# Altium PCB Whitespace_Daughtercard.PcbDoc (part 1 of 5)
Units mil, origin at the board's own origin, x right, y up, seen from the top; angles counter-clockwise.
Board outline 4000 x 3100 mil, 6 copper layers (Top Layer, Ground Plane, MidLayer1, MidLayer2, Power Plane, Bottom Layer), stack 62.3 mil thick; 355 components, 313 nets, 1366 pads, 1573 vias.
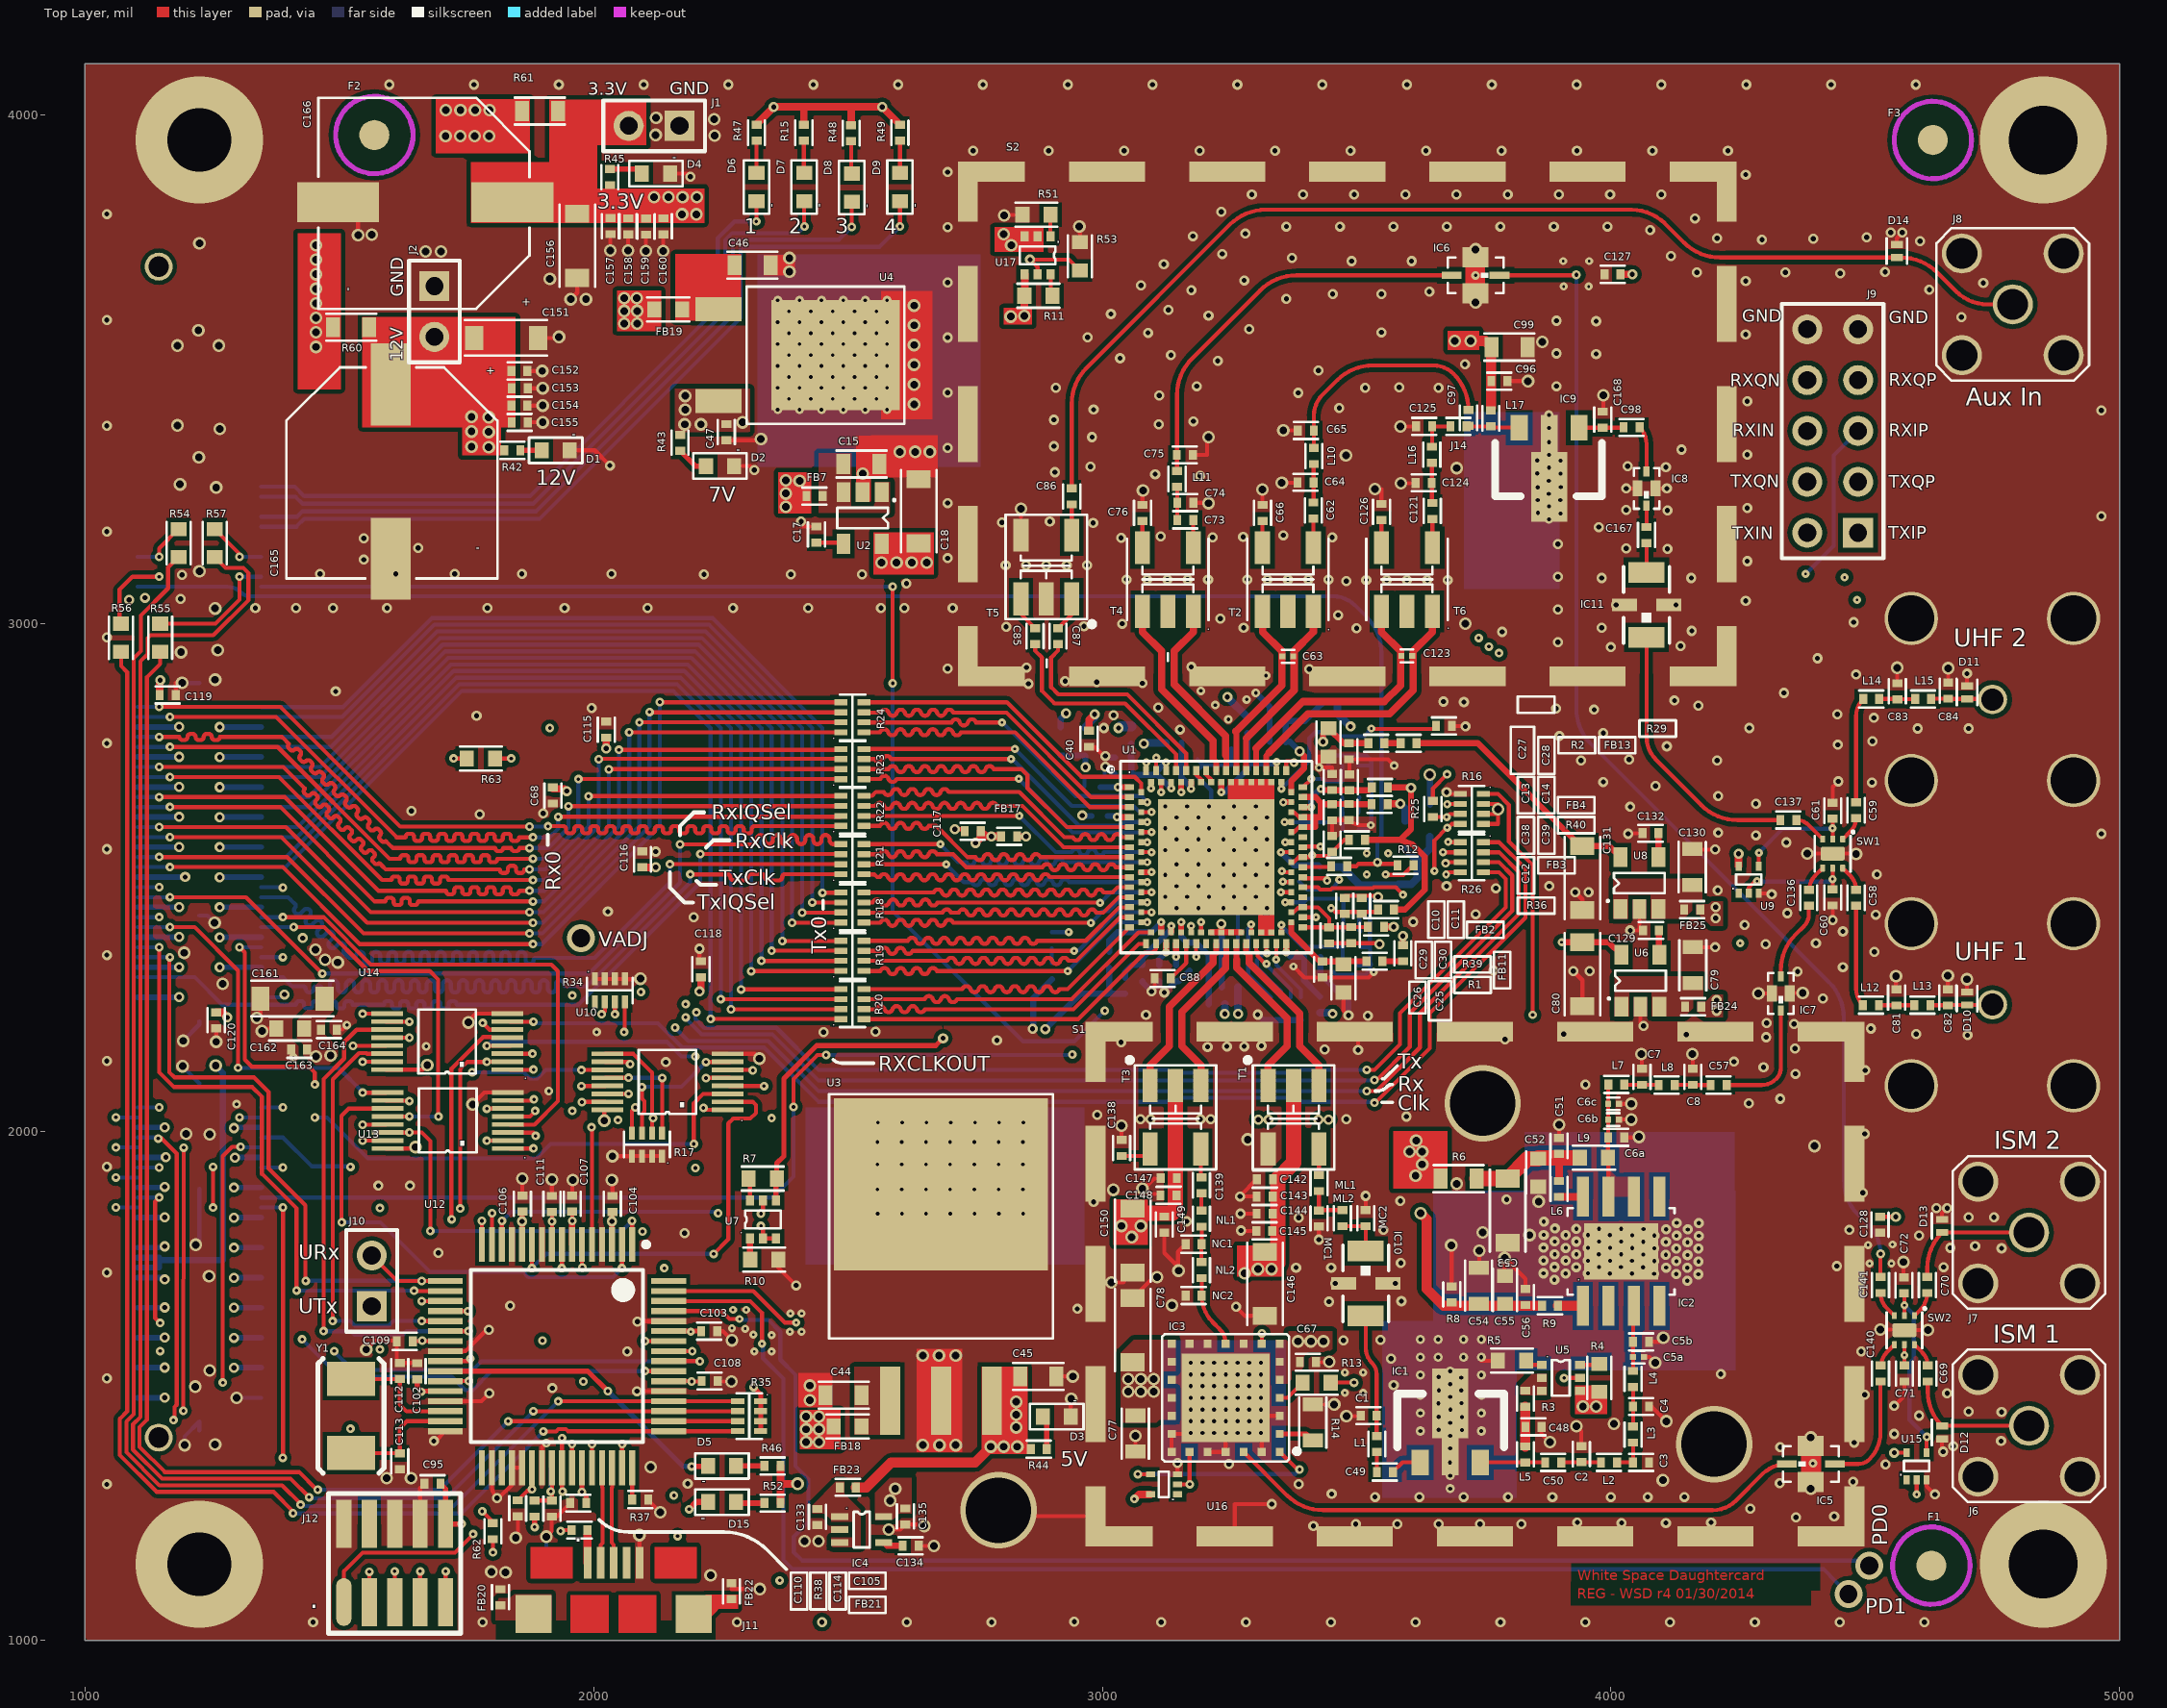
[diagram p0: Top Layer view]
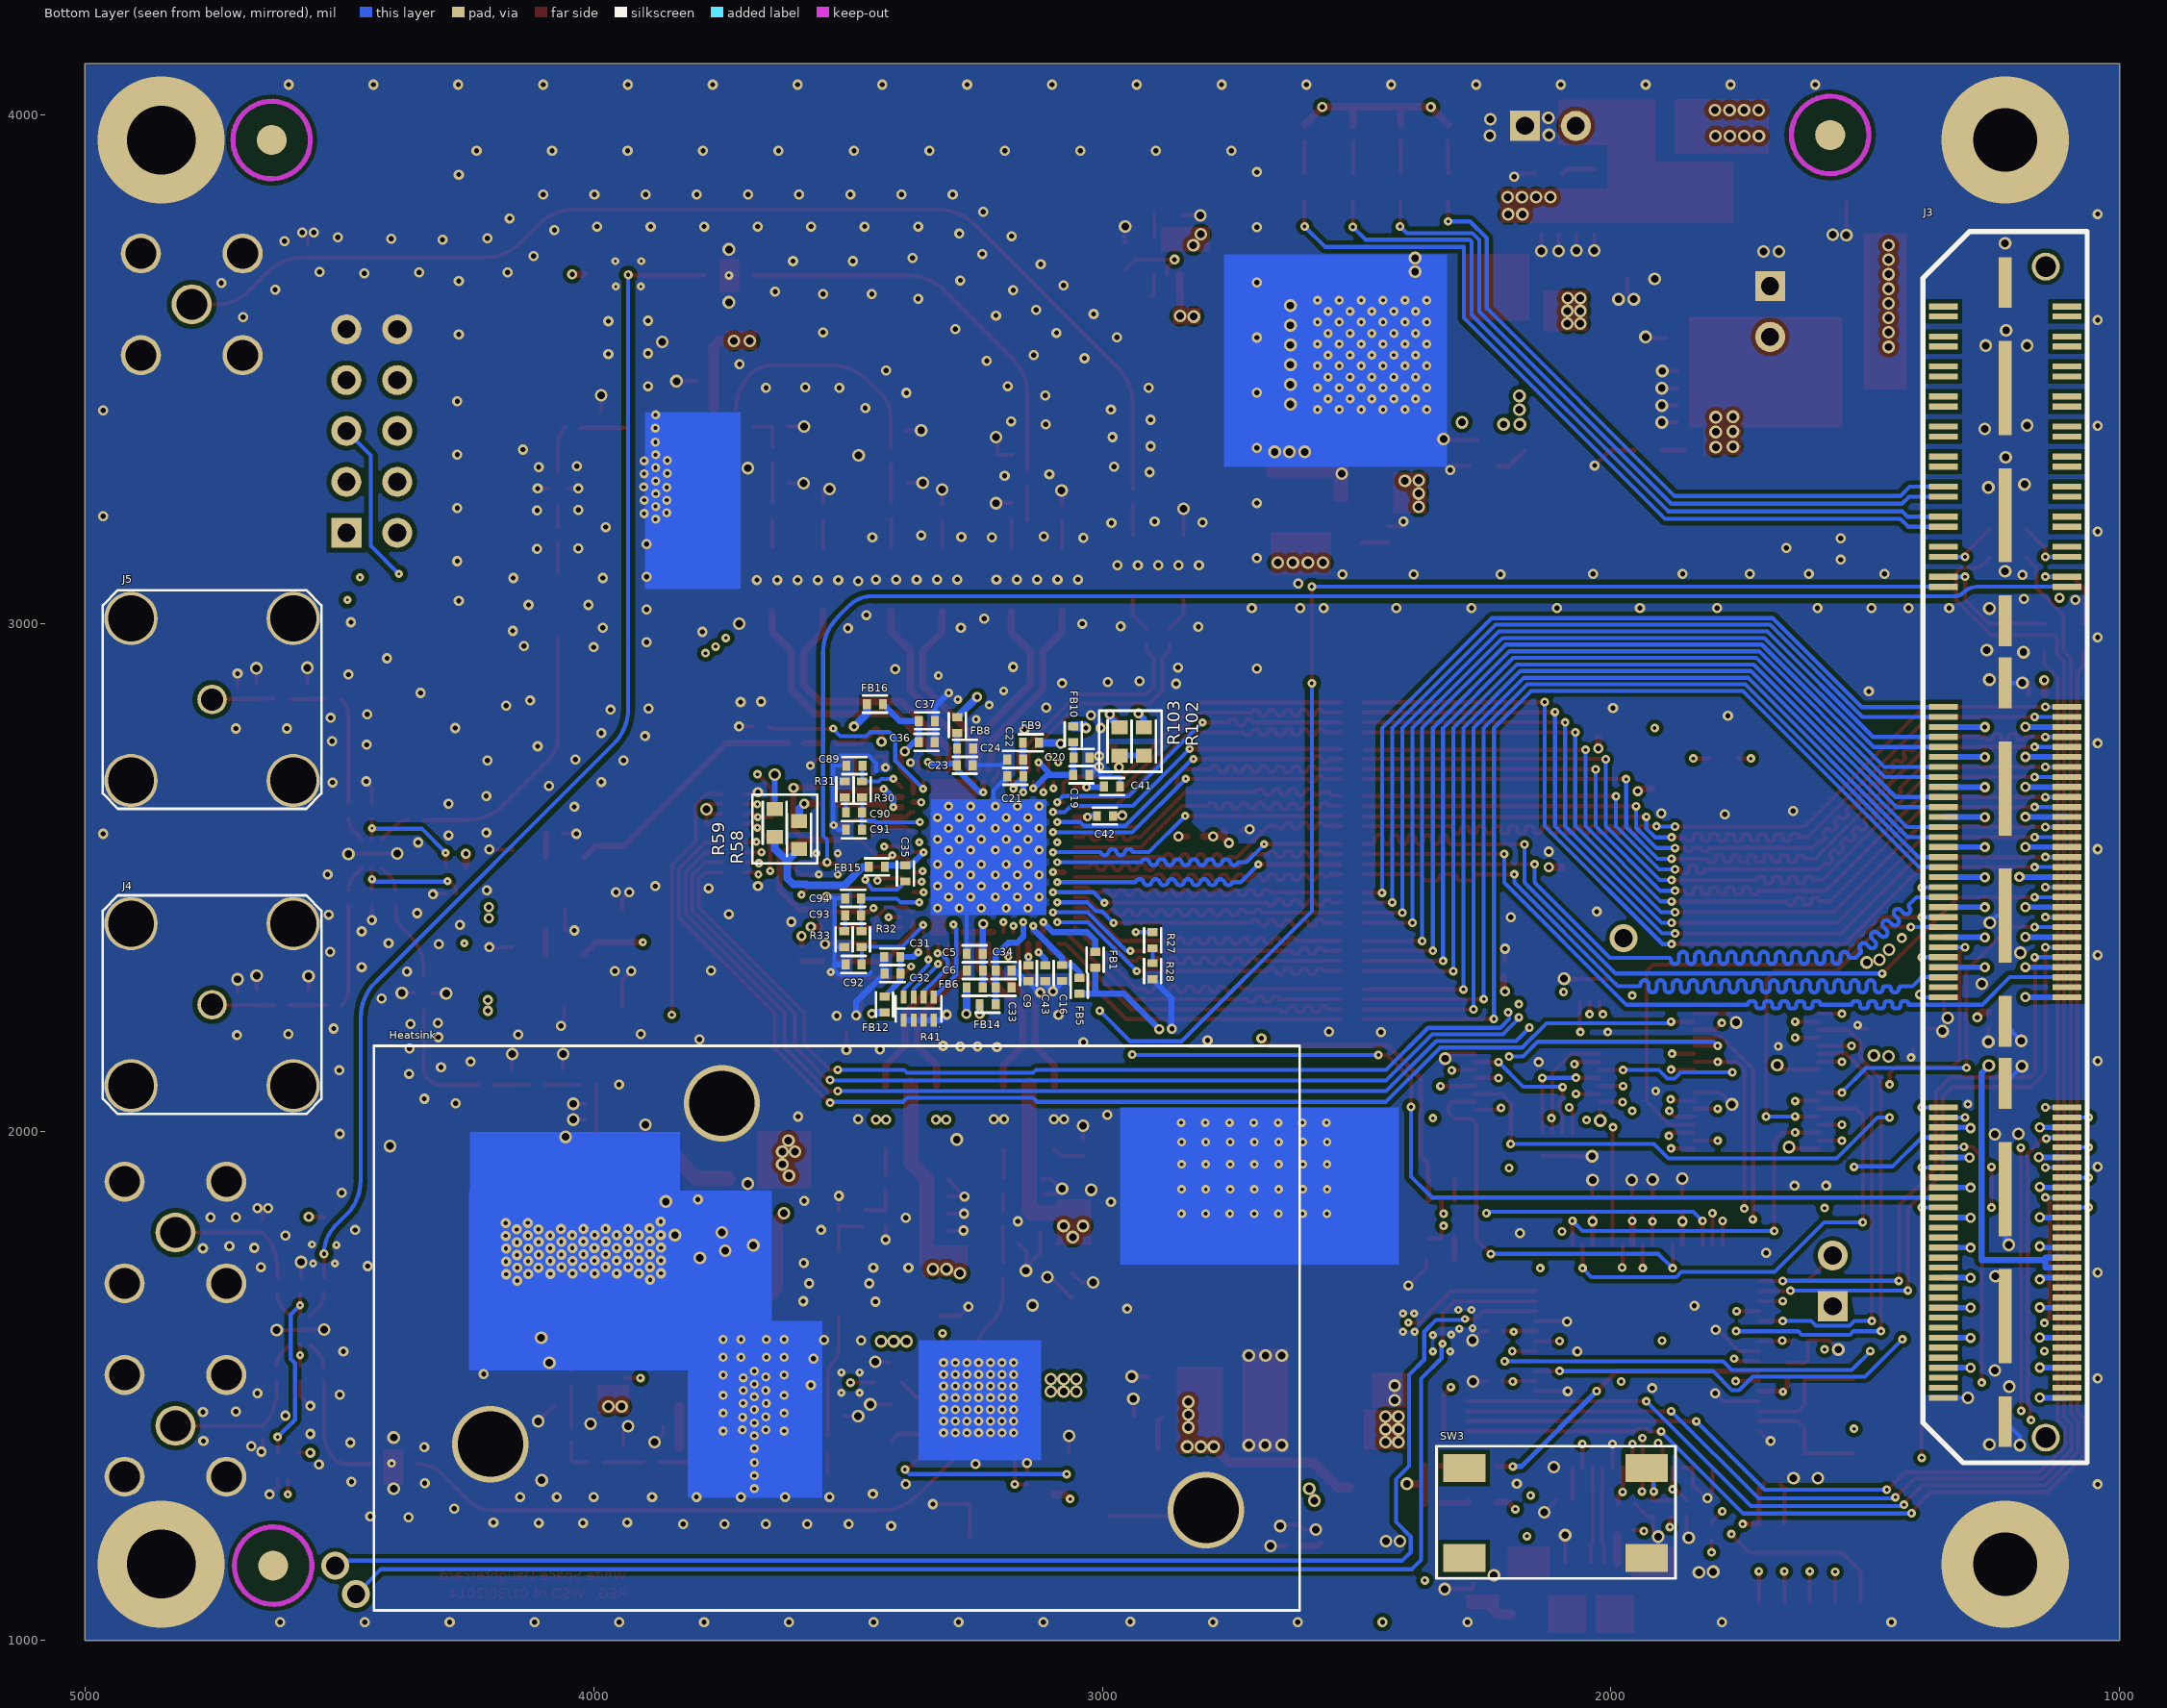
[diagram p1: Bottom Layer view, seen from below]
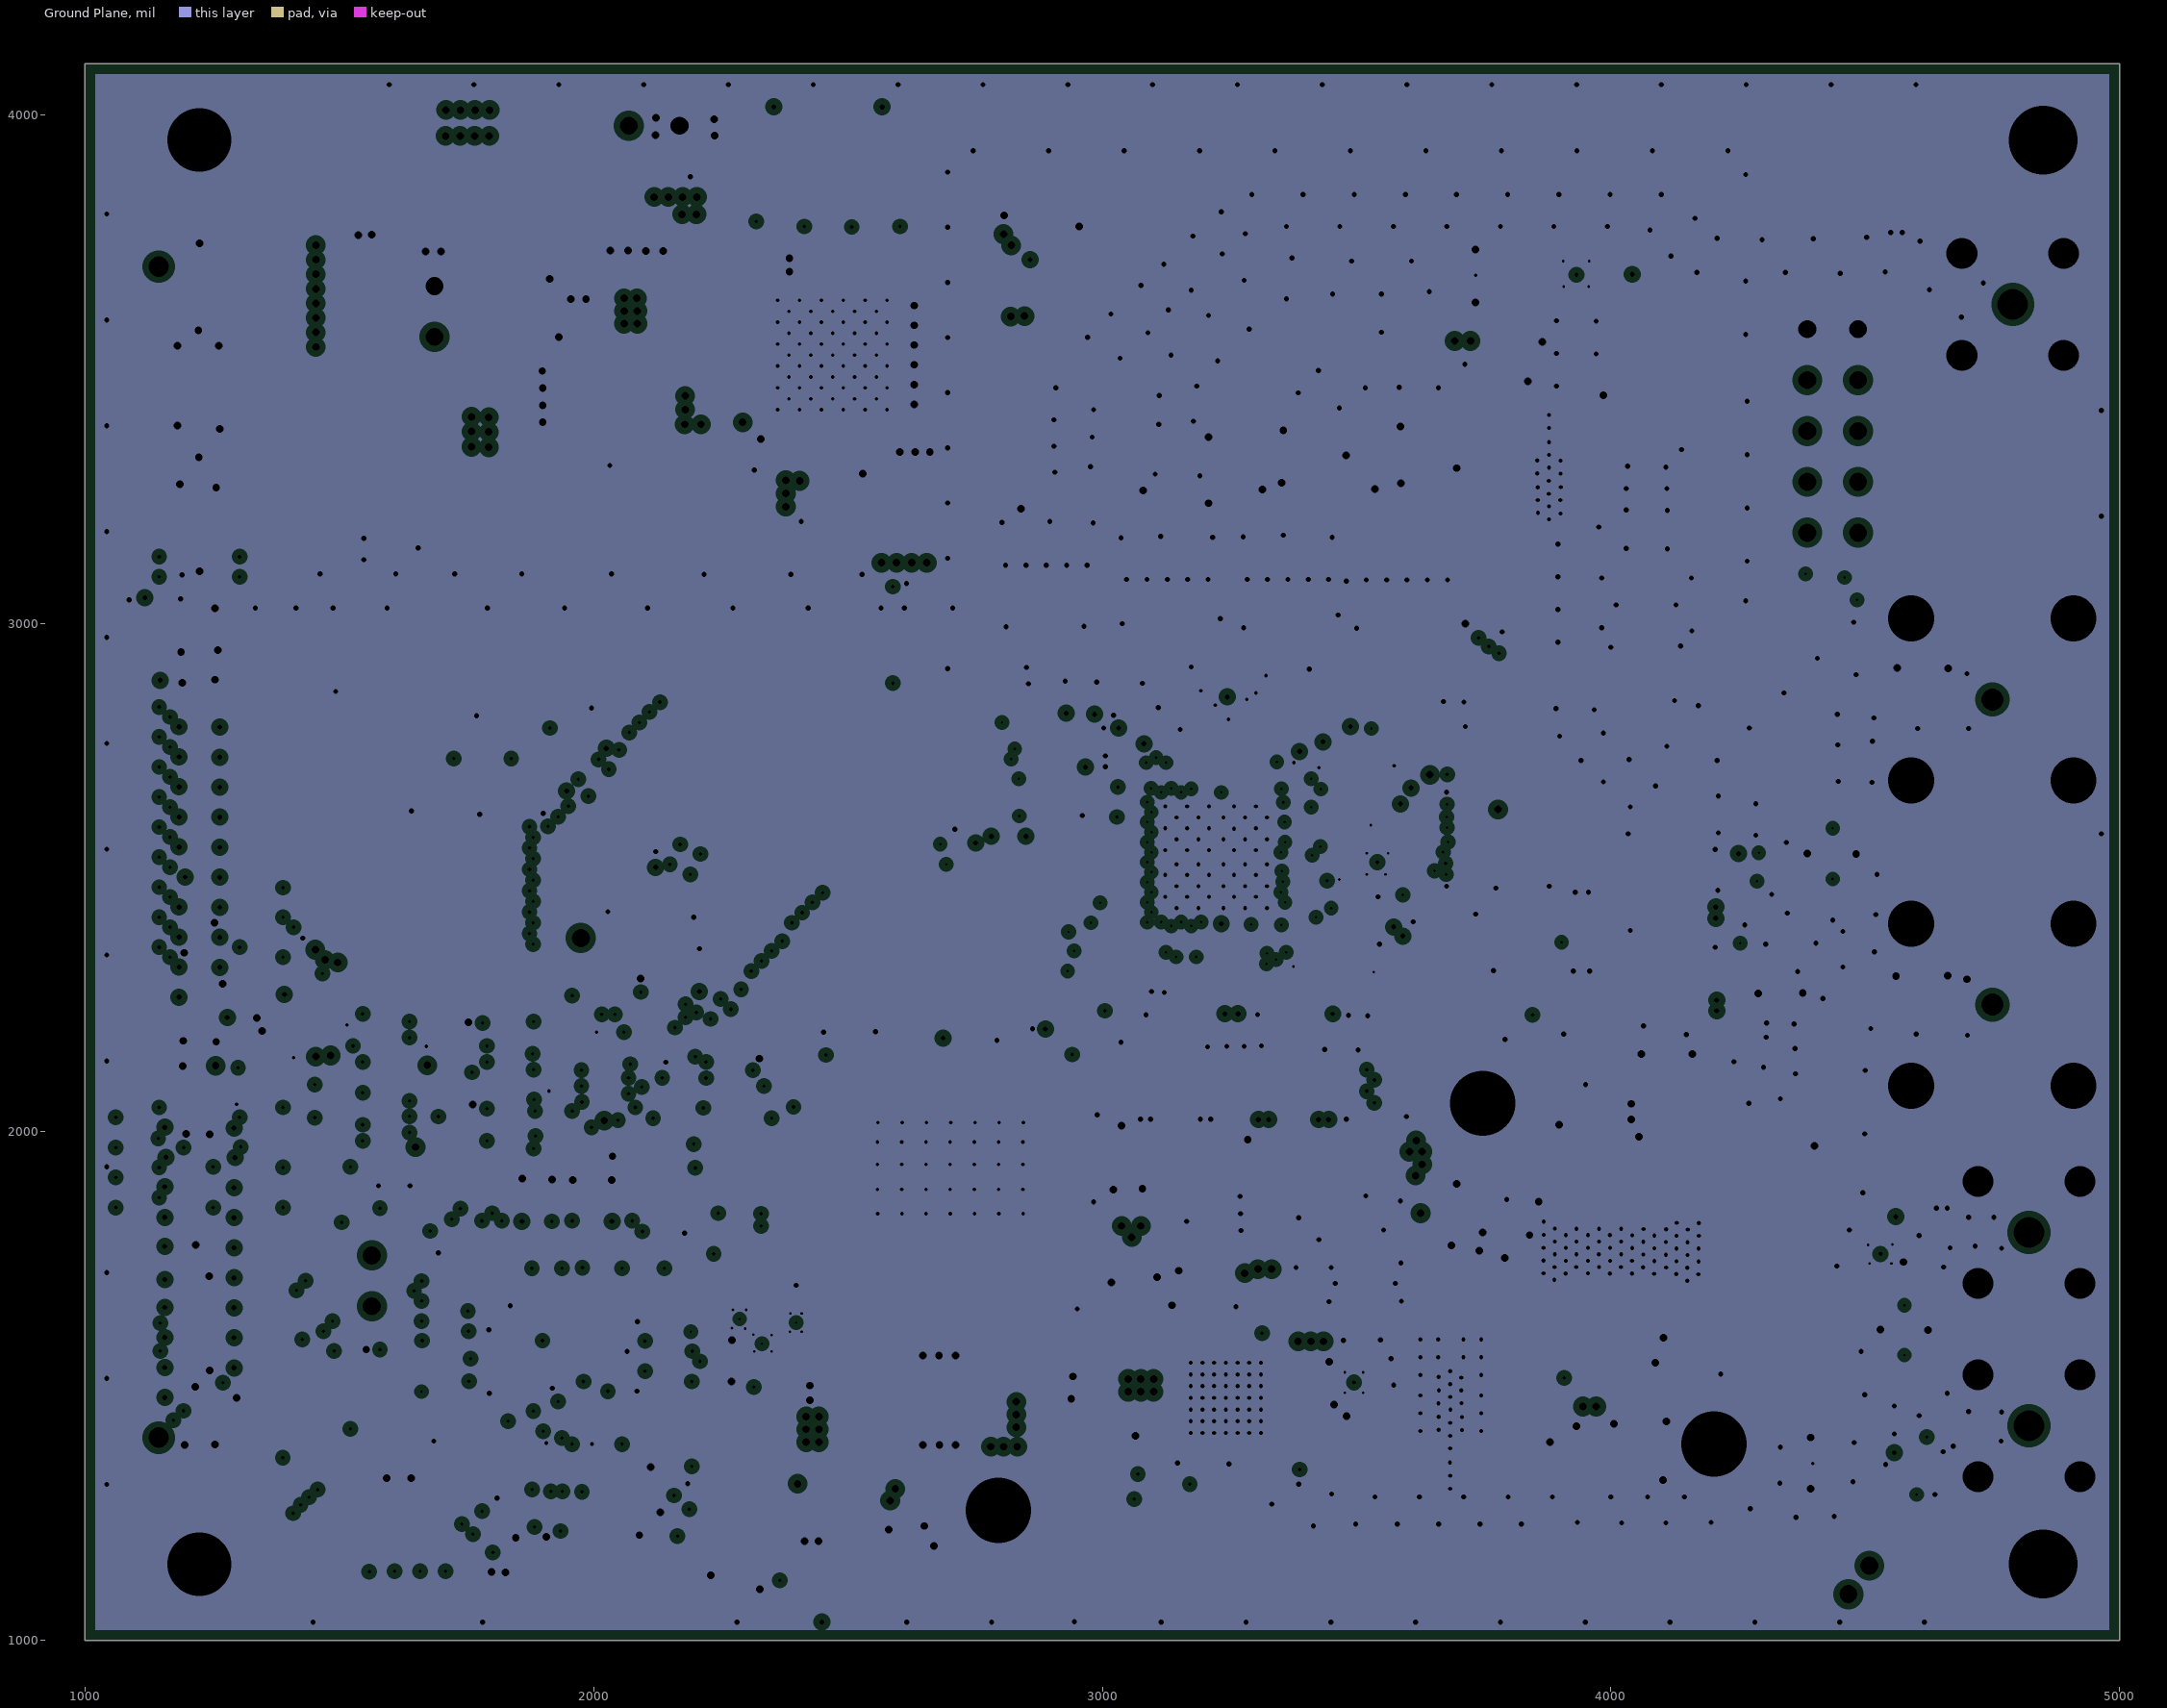
[diagram p2: Ground Plane, clearances drawn from the general rule]
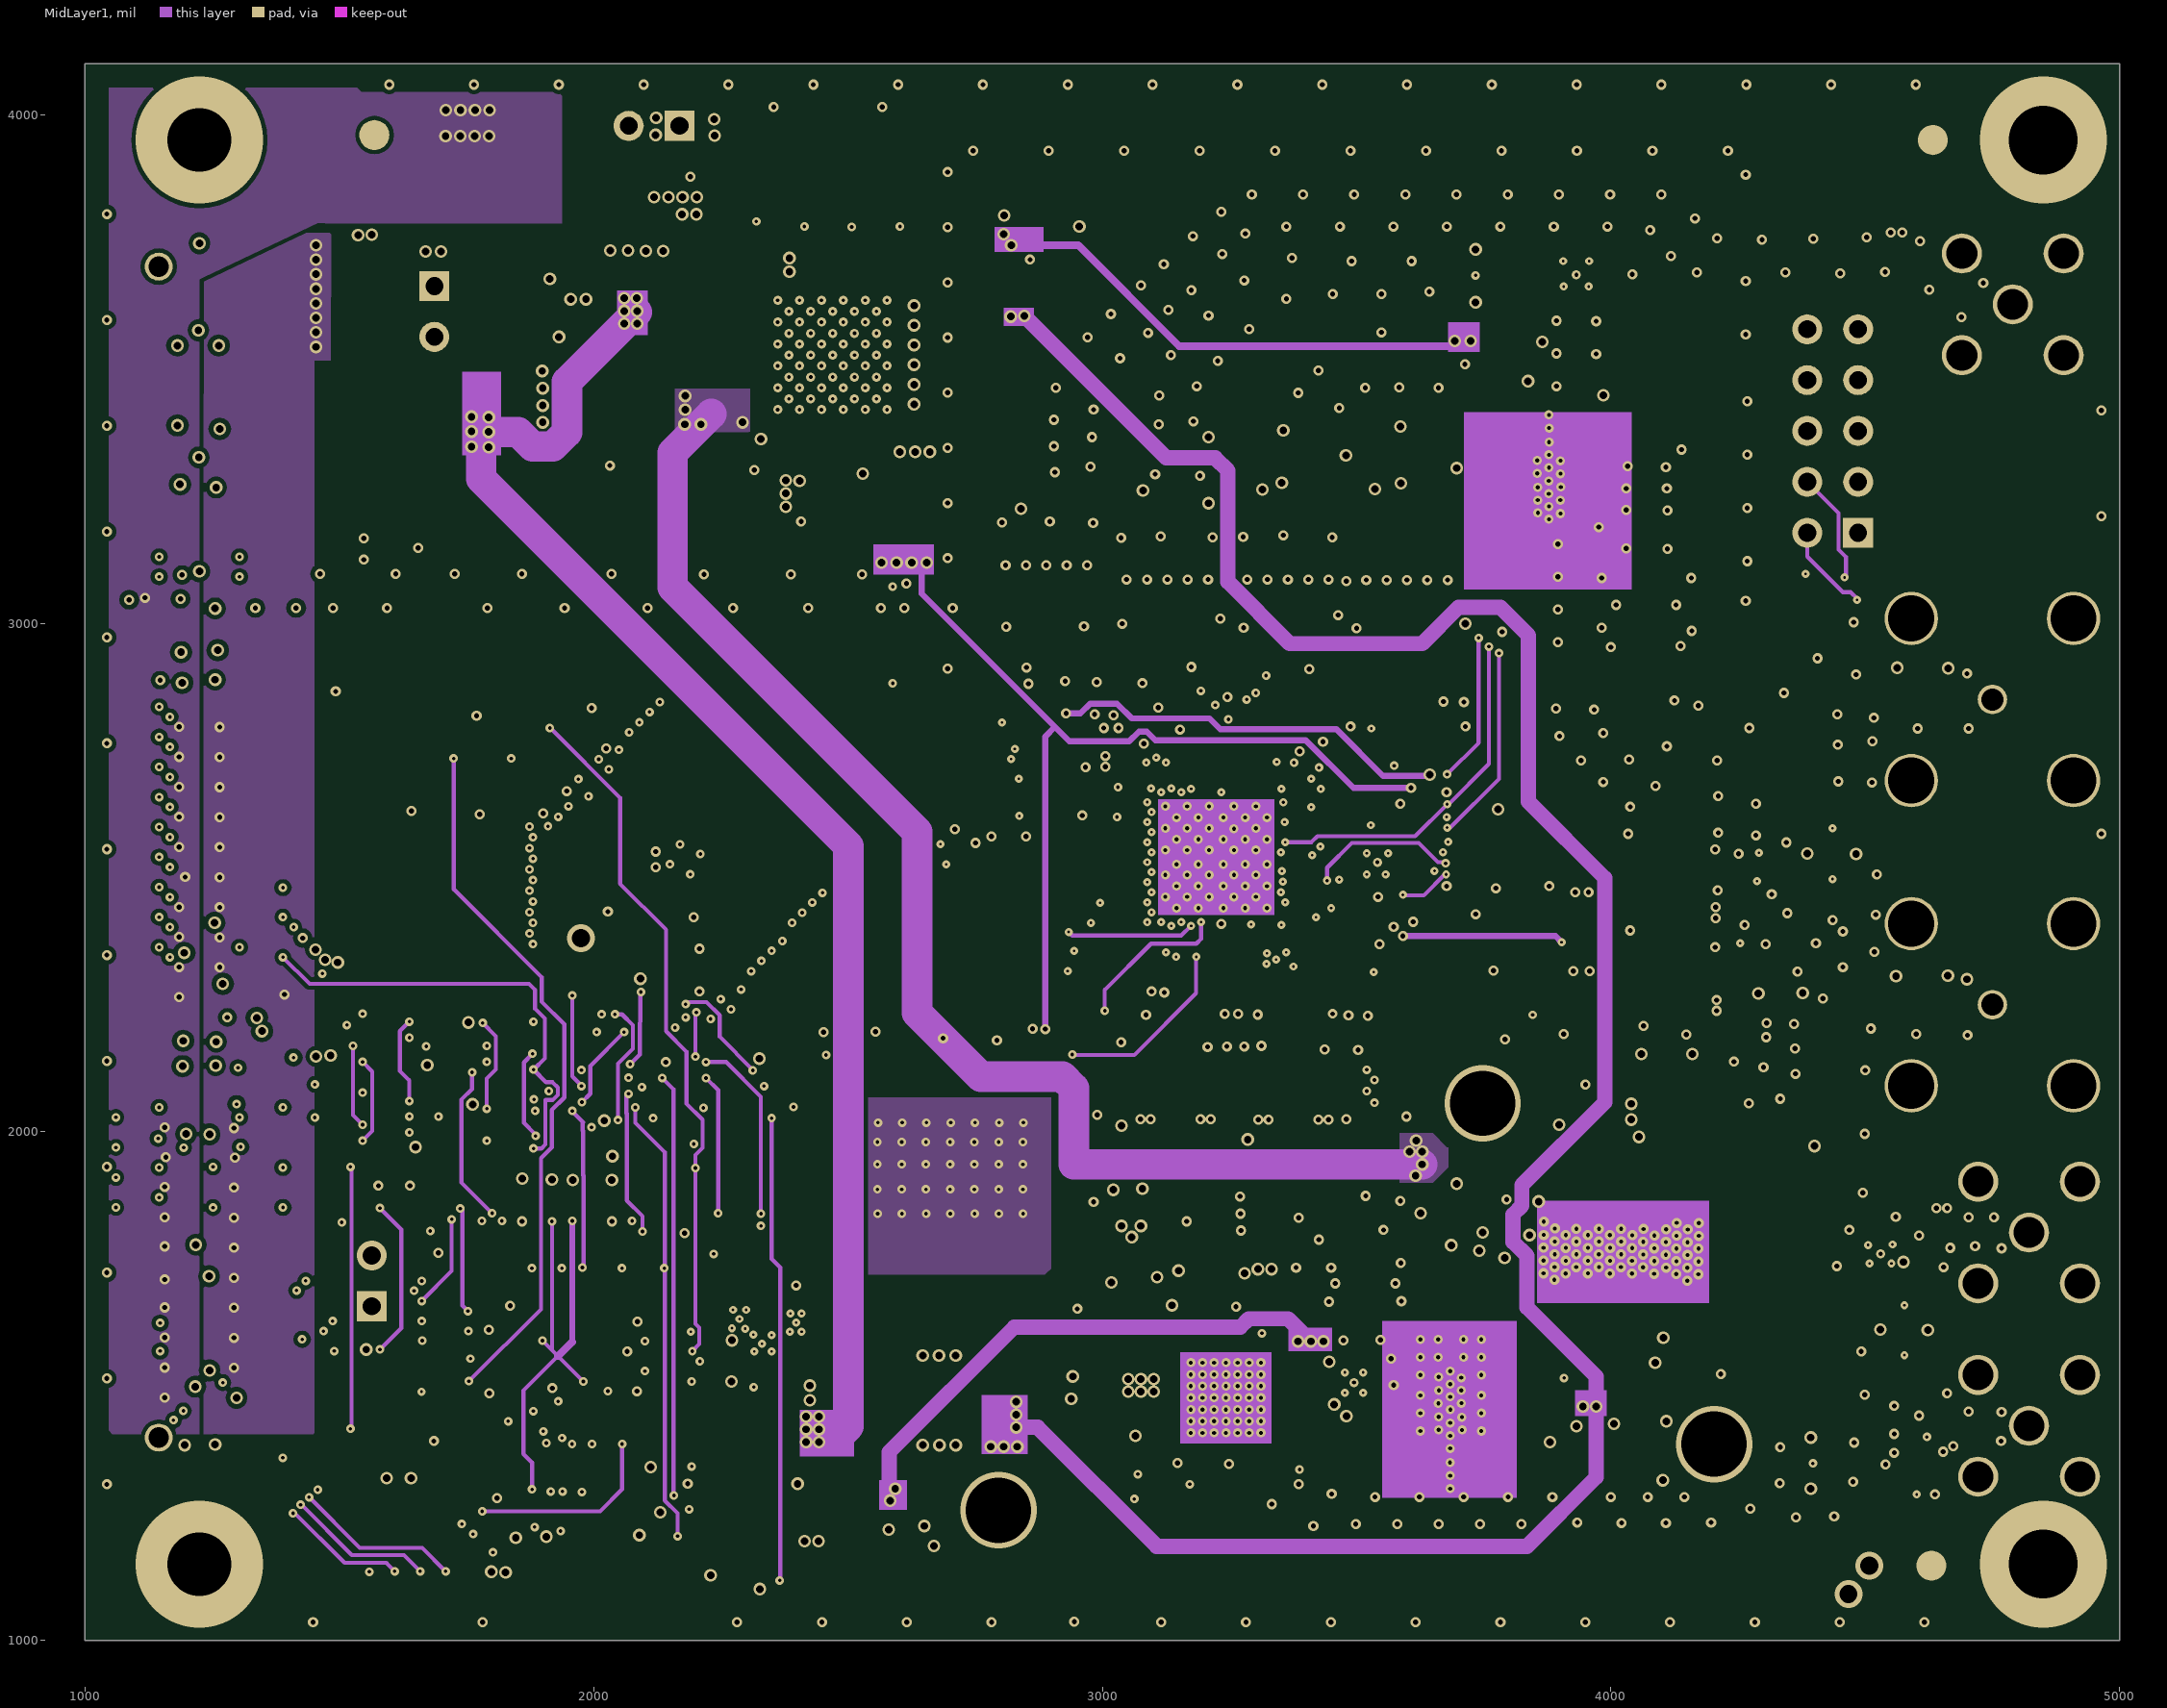
[diagram p3: MidLayer1]